# Altium PCB Kamal.PcbDoc
Units mm, origin at the board's own origin, x right, y up, seen from the top; angles counter-clockwise.
Board outline 120.02 x 45.11 mm, 2 copper layers (Top Layer, Bottom Layer); 121 components, 88 nets, 455 pads, 48 vias.
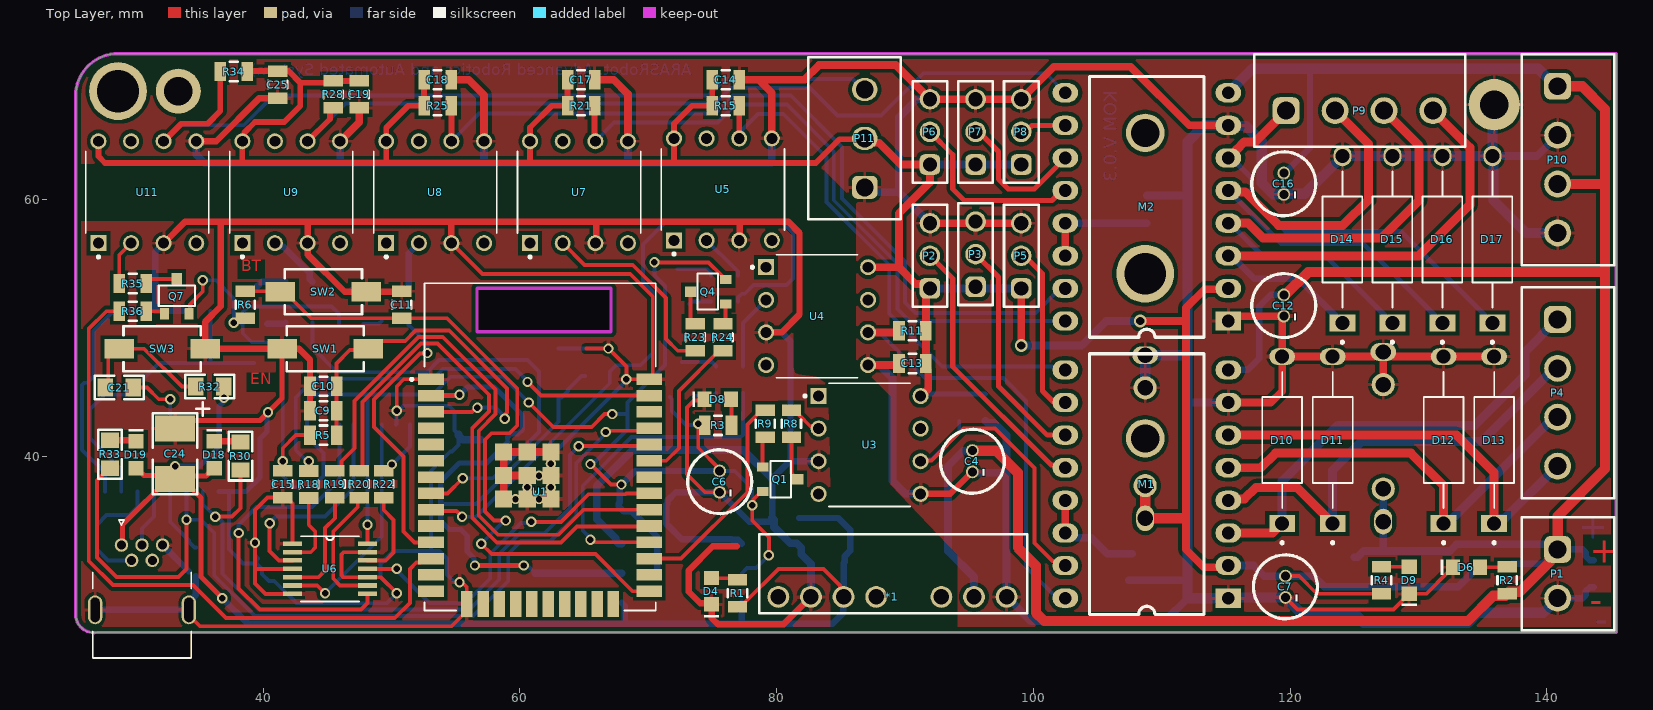
[diagram p0: Top Layer view]
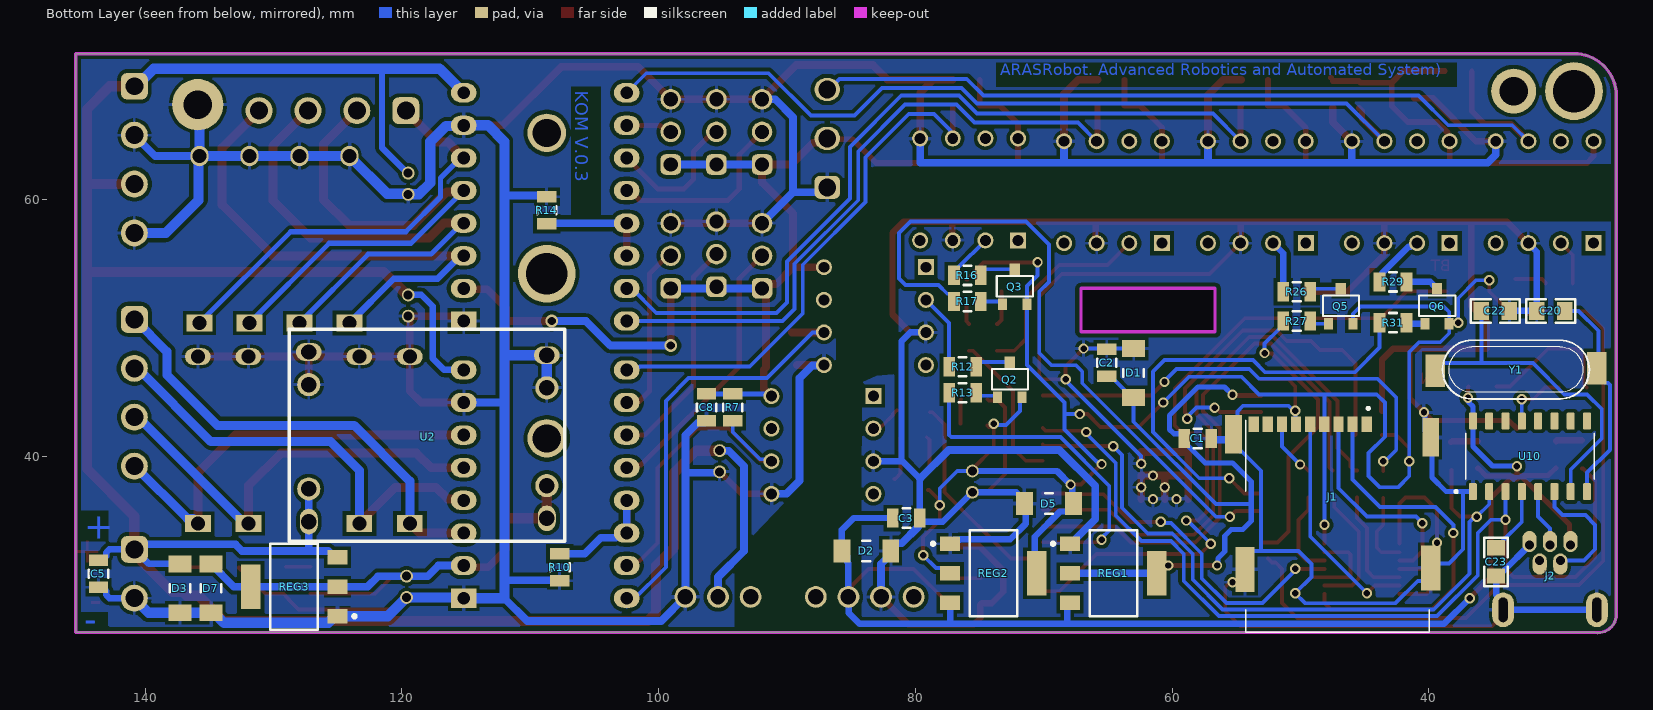
[diagram p1: Bottom Layer view, seen from below]

## Layer stack, top to bottom
Top Solder: solder mask 0.0102, Solder Resist, Dk 3.5
Top Layer: signal copper 0.0356
Dielectric 1: dielectric 0.32, FR-4, Dk 4.8
Bottom Layer: signal copper 0.0356
Bottom Solder: solder mask 0.0102, Solder Resist, Dk 3.5

## Board outline
25.4,27.686 ccw(c26.82,27.686) 27.074,26.289 145.415,26.289 145.415,71.374 28.702,71.374 ccw(c28.702,68.072) 25.4,68.072
cut-out: 56.6,49.7 56.6,53.1 67.1,53.1 67.1,49.7

## Design rules (kind name [scope] priority, off if disabled: settings)
Clearance [All] p1: gap=0.2 ignorepadtopadclearanceinfootprint=FALSE except(0.3: Arc-Poly Track-Poly SMDPad-Poly THPad-Poly Via-Poly Fill-Poly Poly-Poly Poly-Region Poly-Text Poly-Hole)
PolygonConnect [All] p1: connectstyle=Relief reliefconductorwidth=0.254 reliefentries=4 polygonreliefangle="90 Angle" airgapwidth=0.254
RoutingVias [All] p1: holewidth=0.5 width=0.8 viastyle="Through Hole" minholewidth=0.5 minwidth=0.8 maxholewidth=1.5 maxwidth=2
SolderMaskExpansion [All] p1: expansion=0.102 istentingtop=FALSE
Width [All] p1: maxlimit=1 minlimit=0.3 preferedwidth=0.3
30 further rules are at their usual default settings.

## Classes and differential pairs
component class kamal_schematic: *1 C1 C2 C3 C4 C5 C6 C7 C8 C9 C10 C11 C12 C13 C14 C15 C16 C17 C18 C19 C20 C21 C22 C23 C24 C25 D1 D3 D5 D6 D8 D9 D12 D14 D16 D17 D19 J1 J2 M1 M2 P1 P2 P3 P4 P5 P6 P7 P8 P9 P10 P11 Q1 Q2 Q3 Q4 Q5 Q6 Q7 R2 R4 R6 R8 R9 R11 R13 R14 R15 R17 R20 R23 R25 R26 R27 R29 R31 R32 R33 R34 R36 REG1 REG2 REG3 SW1 SW2 SW3 U1 U2 U3 U4 U5 U6 U7 U8 U9 U10 U11 Y1

## Components (designator, comment, footprint, x,y, rotation, side; value= is the part's Value field where it differs from the comment)
*1 "MCWI03-12S05" MCWI03-12S05 93.504,37.946 r180 top
C1 "100nF" "SMD 805 CAP" 58,41.4 r180 bottom
C2 "1uF" "SMD 805 CAP" 65.1,47.3 r90 bottom
C3 "1uF" "SMD 805 CAP" 80.7,35.2 r180 bottom
C4 "47uF-25V-5mm" "MY_CAP_POL 5MM" 95.25,39.624 r270 top value=3300u
C5 "1uF" "SMD 805 CAP" 143.637,30.861 r270 bottom
C6 "47uF-25V-5mm" "MY_CAP_POL 5MM" 75.565,38.035 r270 top value=3300u
C7 "47uF-25V-5mm" "MY_CAP_POL 5MM" 119.634,29.845 r270 top value=3300u
C8 "1uF" "SMD 805 CAP" 96.266,43.815 r270 bottom
C9 "22uF" "SMD 805 CAP" 44.704,43.561 r180 top
C10 "0.1uF" "SMD 805 CAP" 44.704,45.466 r180 top
C11 "0.1uF" "SMD 805 CAP" 50.8,51.816 r90 top
C12 "47uF-25V-5mm" "MY_CAP_POL 5MM" 119.507,51.754 r270 top value=3300u
C13 "1uF" "SMD 805 CAP" 90.585,47.244 r180 top
C14 "1uF" "SMD 805 CAP" 76.039,69.342 r0 top
C15 "1uF" "SMD 805 CAP" 41.529,37.846 r90 top
C16 "47uF-25V-5mm" "MY_CAP_POL 5MM" 119.507,61.241 r270 top value=3300u
C17 "1uF" "SMD 805 CAP" 64.77,69.342 r0 top
C18 "1uF" "SMD 805 CAP" 53.594,69.342 r0 top
C19 "1uF" "SMD 805 CAP" 47.498,68.199 r270 top
C20 "22pF" C_805#1 30.48,51.308 r90 bottom
C21 "100nF" C_805#1 28.829,45.339 r90 top
C22 "22pF" C_805#1 34.798,51.308 r90 bottom
C23 "100nF" C_805#2 34.798,31.75 r180 bottom
C24 "10uF" Tantalum_B 33.147,40.132 r180 top
C25 "1uF" "SMD 805 CAP" 41.148,68.961 r270 top
D1 "Zener_MinMelf 5.6V" MiniMelf 63,46.5 r270 bottom
D2 "Zener_MinMelf 5.6V" MiniMelf 83.82,32.639 r0 bottom
D3 "Zener_MinMelf 13V" MiniMelf 137.287,29.718 r90 bottom
D4 "LED_SMD_0805" LED_0805#1 74.93,29.464 r90 top
D5 "Zener_MinMelf 3.6V" MiniMelf 69.596,36.322 r180 bottom
D6 "LED_SMD_0805" LED_0805#2 133.731,31.369 r0 top
D7 "Zener_MinMelf 5.6V" MiniMelf 134.874,29.718 r90 bottom
D8 "LED_SMD_0805" LED_0805#3 75.438,44.45 r0 top
D9 "LED_SMD_0805" LED_0805#2 129.286,30.353 r90 top
D10 "P6KE15A" P6KE15A#1 119.38,41.275 r90 top
D11 "P6KE15A" P6KE15A#1 123.317,41.275 r90 top
D12 "P6KE15A" P6KE15A#1 131.953,41.275 r90 top
D13 "P6KE15A" P6KE15A#1 135.89,41.275 r90 top
D14 "P6KE15A" P6KE15A#2 124.079,56.896 r90 top
D15 "P6KE15A" P6KE15A#2 127.974,56.896 r90 top
D16 "P6KE15A" P6KE15A#2 131.868,56.896 r90 top
D17 "P6KE15A" P6KE15A#2 135.763,56.896 r90 top
D18 "LED_SMD_0805" LED_0805#2 36.195,40.132 r270 top
D19 "LED_SMD_0805" LED_0805#2 30.099,40.132 r270 top
J1 "045138008100858+" AVX_045138008100858+ 47.117,34.544 r0 bottom locked
J2 "54819-0519" MOLEX_54819-0519 28.969,33.098 r0 top
M1 "A4988-Module for MOTOR_A" "A4988-Module - duplicate" 115.189,28.956 r180 top locked
M2 "A4988-Module for MOTOR_A" "A4988-Module - duplicate" 115.189,50.546 r180 top locked
P1 "691321300002" 691321300002 141.643,30.861 r270 top locked
P2 "61300311121" 61300311121 91.948,55.626 r90 top
P3 "61300311121" 61300311121 95.504,55.753 r90 top
P4 "691321300004" 691321300004 141.643,44.958 r270 top
P5 "61300311121" 61300311121 99.06,55.626 r90 top
P6 "61300311121" 61300311121 91.948,65.278 r90 top
P7 "61300311121" 61300311121 95.504,65.278 r90 top
P8 "61300311121" 61300311121 99.06,65.278 r90 top
P9 "691321300004" 691321300004 125.413,67.729 r0 top
P10 "691321300004" 691321300004 141.643,63.119 r270 top locked
P11 "691321300003" 691321300003 86.068,64.77 r90 top locked
Q1 "3906" MY_SMD_TRANSISTOR 80.264,38.227 r180 top
Q2 "3906" MY_SMD_TRANSISTOR 72.644,45.974 r270 bottom
Q3 "3906" MY_SMD_TRANSISTOR 72.263,53.213 r270 bottom
Q4 "3906" MY_SMD_TRANSISTOR 74.676,52.832 r0 top
Q5 "3906" MY_SMD_TRANSISTOR 46.863,51.689 r270 bottom
Q6 "3906" MY_SMD_TRANSISTOR 39.37,51.689 r270 bottom
Q7 "3906" MY_SMD_TRANSISTOR 33.274,52.451 r270 top
R1 "1k" "SMD 805" 76.962,29.337 r90 top
R2 "1k" "SMD 805" 136.906,30.353 r90 top
R3 "1.8k" "SMD 805" 75.438,42.418 r0 top
R4 "1.8k" "SMD 805" 127.127,30.353 r90 top
R5 "10k" "SMD 805" 44.704,41.656 r0 top
R6 "1k" "SMD 805" 38.608,51.816 r90 top
R7 "470" "SMD 805" 94.234,43.815 r270 bottom
R8 "220" "SMD 805" 81.153,42.545 r90 top
R9 "330" "SMD 805" 79.121,42.545 r270 top
R10 "0" "SMD 805" 107.696,31.369 r270 bottom
R11 "470" "SMD 805" 90.585,49.784 r180 top
R12 "220" "SMD 805" 76.327,46.99 r0 bottom
R13 "330" "SMD 805" 76.327,44.958 r180 bottom
R14 "0" "SMD 805" 108.712,59.182 r90 bottom
R15 "470" "SMD 805" 76.039,67.31 r0 top
R16 "220" "SMD 805" 75.946,54.102 r0 bottom
R17 "330" "SMD 805" 75.946,52.07 r180 bottom
R18 "3.3K" "SMD 805" 43.561,37.812 r90 top
R19 "3.3K" "SMD 805" 45.593,37.846 r90 top
R20 "3.3K" "SMD 805" 47.498,37.846 r90 top
R21 "470" "SMD 805" 64.77,67.31 r0 top
R22 "3.3K" "SMD 805" 49.403,37.846 r90 top
R23 "220" "SMD 805" 73.66,49.276 r270 top
R24 "330" "SMD 805" 75.819,49.276 r90 top
R25 "470" "SMD 805" 53.594,67.31 r0 top
R26 "220" "SMD 805" 50.292,52.832 r0 bottom
R27 "330" "SMD 805" 50.292,50.546 r180 bottom
R28 "470" "SMD 805" 45.466,68.199 r270 top
R29 "220" "SMD 805" 42.799,53.594 r0 bottom
R30 "Resistor SMD 0603" R_805 38.227,40.005 r0 top value=1k
R31 "330" "SMD 805" 42.799,50.419 r180 bottom
R32 "Resistor SMD 0603" R_805 35.814,45.466 r270 top value=10k
R33 "Resistor SMD 0603" R_805 28.067,40.132 r0 top value=1k
R34 "470" "SMD 805" 37.719,69.977 r180 top
R35 "220" "SMD 805" 29.845,53.467 r180 top
R36 "330" "SMD 805" 29.845,51.308 r0 top
REG1 "LD1117 3.3" MY_LD1117-3.3 64.448,30.9 r270 bottom
REG2 "LD1117 3.3" MY_LD1117-3.3 73.8,30.9 r270 bottom
REG3 "LD1117 5.0V" MY_LD1117-3.3 128.524,29.845 r90 bottom
SW1 "434121043836" WS-TASV_L6W3.5H4.3_4341x10438x6 44.831,48.387 r0 top
SW2 "434121043836" WS-TASV_L6W3.5H4.3_4341x10438x6 44.704,52.832 r180 top
SW3 "434121043836" WS-TASV_L6W3.5H4.3_4341x10438x6 32.131,48.387 r180 top
U1 "ESP32-WROOM-32D" MODULE_ESP32-WROOM-32D 61.579,40.749 r0 top locked
U2 "MP1584" MP1584 117.856,41.529 r180 bottom locked
U3 "6N137-8-DIP" PDIP-8 87.249,40.894 r0 top
U4 "6N137-8-DIP" PDIP-8 83.152,50.927 r0 top
U5 "6N137-8-DIP" PDIP-8 75.819,60.8 r90 top
U6 "74LVC125APW,118" SOP65P640X110-14N 45.212,31.242 r0 top locked
U7 "6N137-8-DIP" PDIP-8 64.611,60.579 r90 top
U8 "6N137-8-DIP" PDIP-8 53.403,60.579 r90 top
U9 "6N137-8-DIP" PDIP-8 42.196,60.579 r90 top
U10 "CH340G" SOIC127P600X180-16N 32.131,40.005 r90 bottom
U11 "6N137-8-DIP" PDIP-8 30.988,60.579 r90 top
Y1 "CRYSTAL_SMD" "My_Crystal - SMD" 33.224,46.763 r180 bottom

## Footprints (in the part's own frame and the unit in brackets; to place one, negate y for a bottom-side part, rotate by r counter-clockwise, add the part's x,y. Pads: shape width x height; smd on the part's side, far side on the other; paste and mask are expansions set on the pad)
61300311121 [mm] "Pin Header, pitch 2.54 mm, THT, Vertical, single row, 3p"
  rrect50% 1.6x1.6 hole 1.1: 1(-2.54,0)
  round 1.6 hole 1.1: 2(0,0) 3(2.54,0)
  silkscreen extent -3.96,-1.35 3.96,1.35, body extent -3.81,-1.27 3.81,1.27, height 8.57
691321300002 [mm] "Vertical PCB Header, pitch 3.81mm, 02p"
  rrect50% 2.1x2.1 hole 1.4: 1(-1.905,-0.8)
  round 2.1 hole 1.4: 2(1.905,-0.8)
  silkscreen extent -4.4,-3.6 4.41,3.6, body extent -4.4,-3.6 4.41,3.6, height 9.25
691321300003 [mm] "Vertical PCB Header, pitch 3.81mm, 03p"
  rrect50% 1.8x2 hole 1.4: 1(-3.81,-0.8)
  oval 1.8x2 hole 1.4: 2(0,-0.8) 3(3.81,-0.8)
  silkscreen extent -6.31,-3.6 6.31,3.6, body extent -6.31,-3.6 6.31,3.6, height 9.25
691321300004 [mm] "Vertical PCB Header, pitch 3.81mm, 04p"
  rrect50% 2.1x2.1 hole 1.4: 1(-5.715,-0.8)
  round 2.1 hole 1.4: 2(-1.905,-0.8) 3(1.905,-0.8) 4(5.715,-0.8)
  silkscreen extent -8.21,-3.6 8.22,3.6, body extent -8.21,-3.6 8.21,3.6, height 9.25
"A4988-Module - duplicate" [mm]
  rect 2x1.5 hole 1: 1(0,0)
  oval 2x1.5 hole 1: 2(0,-2.54) 3(0,-5.08) 4(0,-7.62) 5(0,-10.16) 6(0,-12.7) 7(0,-15.24) 8(0,-17.78) 9(12.7,-17.78) 10(12.7,-15.24) 11(12.7,-12.7) 12(12.7,-10.16) 13(12.7,-7.62) 14(12.7,-5.08) 15(12.7,-2.54) 16(12.7,0)
  silkscreen extent 1.89,-19.05 10.81,1.27, body extent -1.4,-19.05 13.84,1.27, height 5.54
AVX_045138008100858+ [mm]
  rect 0.8x1.2 smd: 1(-2.27,-7.95) 2(-1.17,-7.95) 3(-0.07,-7.95) 4(1.03,-7.95) 5(2.13,-7.95) 6(3.23,-7.95) 7(4.33,-7.95) 8(5.43,-7.95) COM(6.53,-7.95)
  rect 1.5x3.5 smd: SH1(-7.266,3.226) SH3(7.212,3.353)
  rect 1.3x3 smd: SH2(-7.266,-6.934) SH4(8.101,-7.188)
  silkscreen extent -7.15,-9.3 7.15,8.25
C_805#1 [mm]
  rect 1.4x1.2 smd: 1(0.025,1.118) 2(0.025,-1.067)
  silkscreen extent -0.89,-1.88 0.94,1.93, body extent -0.61,-0.95 0.69,1.05, height 1.1
C_805#2 [mm]
  rect 1.4x1.2 smd: 1(0.025,1.145) 2(0.025,-1.067)
  silkscreen extent -0.89,-1.88 0.94,1.93, body extent -0.61,-0.95 0.69,1.05, height 1.1
LED_0805#1 [mm]
  rect 1.1x1.2 smd: 1(-0.982,0) 2(1.05,0)
  silkscreen extent -2,-0.6 -1.8,0.6, body extent -1,-0.63 1,0.62, height 0.7
LED_0805#2 [mm]
  rect 1.1x1.2 smd: 1(-1.05,0) 2(1.05,0)
  silkscreen extent -2,-0.6 -1.8,0.6, body extent -1,-0.63 1,0.62, height 0.7
LED_0805#3 [mm]
  rect 1.1x1.2 smd: 1(-1.05,0) 2(1.016,0)
  silkscreen extent -2,-0.6 -1.8,0.6, body extent -1,-0.63 1,0.62, height 0.7
MCWI03-12S05 [mm]
  round 1.7 hole 1.2: 1(-4.413,8.89) 2(-1.873,8.89) 3(0.667,8.89) 5(5.747,8.89) 6(8.287,8.89) 7(10.827,8.89) 8(13.367,8.89)
  silkscreen extent -6.04,4.02 14.86,10.16, body extent -5.99,3.91 14.86,10.05, height 10
MiniMelf [mm]
  rect 1.3x1.8 smd: 1(-1.905,0) 2(1.905,0)
  silkscreen extent -0.3,-0.8 0.3,0.8, body extent -1.82,-0.8 1.88,0.8, height 1.6
MODULE_ESP32-WROOM-32D [mm]
  rect 2x0.9 smd: 1(-8.5,5.26) 2(-8.5,3.99) 3(-8.5,2.72) 4(-8.5,1.45) 5(-8.5,0.18) 6(-8.5,-1.09) 7(-8.5,-2.36) 8(-8.5,-3.63) 9(-8.5,-4.9) 10(-8.5,-6.17) 11(-8.5,-7.44) 12(-8.5,-8.71) 13(-8.5,-9.98) 14(-8.5,-11.25) 25(8.5,-11.25) 26(8.5,-9.98) 27(8.5,-8.71) 28(8.5,-7.44) 29(8.5,-6.17) 30(8.5,-4.9) 31(8.5,-3.63) 32(8.5,-2.36) 33(8.5,-1.09) 34(8.5,0.18) 35(8.5,1.45) 36(8.5,2.72) 37(8.5,3.99) 38(8.5,5.26)
  rect 0.9x2 smd: 15(-5.715,-12.25) 16(-4.445,-12.25) 17(-3.175,-12.25) 18(-1.905,-12.25) 19(-0.635,-12.25) 20(0.635,-12.25) 21(1.905,-12.25) 22(3.175,-12.25) 23(4.445,-12.25) 24(5.715,-12.25)
  rect 1.33x1.33 smd: 39_1(-2.835,-0.405) 39_2(-1,-0.405) 39_3(0.835,-0.405) 39_4(-2.835,-2.24) 39_5(-1,-2.24) 39_6(0.835,-2.24) 39_7(-2.835,-4.075) 39_8(-1,-4.075) 39_9(0.835,-4.075)
  round 0.8 hole 0.5: 39_14(0.835,-1.322) 39_16(-0.082,-2.24) 39_18(-1,-3.157) 39_19(0.835,-3.157) 39_20(-1.917,-4.075) 39_21(-0.082,-4.075)
  silkscreen extent -10.1,-12.75 9,12.75
MOLEX_54819-0519 [mm]
  oval 1.1x1.65 smd far side paste-2 mask+0: 1(0,0.275) 2(0.8,-1.475) 3(1.6,0.275) 4(2.4,-1.475) 5(3.2,0.275)
  round 1.05 hole 0.7 mask+0.076: 6(0,0) 7(0.8,-1.2) 8(1.6,0) 9(2.4,-1.2) 10(3.2,0)
  oval 1.122x2.245 hole 0.7 slot 1.9 at 90 deg mask+0: 11(-2.05,-5.05) 12(5.25,-5.05)
  oval 1.7x2.7 smd far side paste-2 mask+0: S1(-2.05,-5.05) S2(5.25,-5.05)
  silkscreen extent -2.25,-8.8 5.45,1.95
MP1584 [mm]
  round 1.8 hole 1.2: 1(-9.398,4.064) 2(-9.398,-4.064) 3(9.144,3.81) 4(9.144,-3.81)
  oval 2x1.4 hole 1.2: 1(-9.398,6.604) 3(9.144,6.35)
  oval 1.4x2 hole 1.2: 2(-9.398,-6.604) 4(9.144,-6.35)
  silkscreen extent -10.92,-8.13 10.54,8.38, body extent -11.18,-8.26 10.92,8.55, height 9.19
"MY_CAP_POL 5MM" [mm]
  round 1 hole 0.7: +(-0.827,0) -(0.827,0)
  silkscreen extent -2.49,-2.49 2.49,2.49, body extent -2.74,-2.6 2.84,2.48, height 11.7
"My_Crystal - SMD" [mm]
  rect 1.524x2.54 smd: 1(-6.275,-0.1) 2(6.3,0.1)
  silkscreen extent -5.71,-2.29 5.71,2.29, body extent -6.28,-2.5 6.22,2.3, height 3.92
MY_LD1117-3.3 [mm]
  rect 1.1x1.55 smd: 1(-2.3,-3.502) 2(0,-3.502) 3(2.3,-3.502)
  rect 3.45x1.55 smd: 4(0,3.248)
  silkscreen extent -3.35,-4.95 3.35,1.72, body extent -3.3,-3.85 3.2,3.05, height 1.6
MY_SMD_TRANSISTOR [mm]
  rect 0.9x0.7 smd: B(1.35,-0.95) E(1.35,0.95)
  rect 0.9x0.8 smd: C(-1.37,0)
  silkscreen extent -0.85,-1.4 0.75,1.42, body extent -1.37,-1.5 1.27,1.5, height 1.08
P6KE15A#1 [mm]
  oval 1.3x2 hole 1.1: A(6.5,0)
  rect 1.3x2 hole 1.1: C(-6.5,0)
  silkscreen extent -8.1,-1.55 5.32,1.55, body extent -6.9,-1.8 6.9,1.8, height 2.7
P6KE15A#2 [mm]
  oval 1.6x1.4 hole 1.1: A(6.5,0)
  rect 1.3x2 hole 1.1: C(-6.5,0)
  silkscreen extent -8.1,-1.55 5.32,1.55, body extent -6.9,-1.8 6.9,1.8, height 2.7
PDIP-8 [mm]
  rect 1.25x1.25 hole 0.85: 1(-3.97,3.81)
  round 1.25 hole 0.85: 2(-3.97,1.27) 3(-3.97,-1.27) 4(-3.97,-3.81) 5(3.97,-3.81) 6(3.97,-1.27) 7(3.97,1.27) 8(3.97,3.81)
  silkscreen extent -5.13,-4.79 3.17,4.79, body extent -3.94,-4.79 3.94,4.79, height 5.08
R_805 [mm]
  rect 1.4x1.2 smd: 1(0.025,1.118) 2(0.025,-1.067)
  silkscreen extent -0.89,-1.88 0.94,1.93, body extent -0.6,-0.93 0.65,1.08, height 0.51
"SMD 805" [mm]
  rect 0.9x1.5 smd: 1(1.05,0) 2(-1.05,0)
  silkscreen extent -0.3,-0.75 0.3,0.75, body extent -1,-0.62 1,0.63, height 0.78
"SMD 805 CAP" [mm]
  rect 0.9x1.5 smd: 1(1.05,0) 2(-1.05,0)
  silkscreen extent -0.3,-0.75 0.3,0.75, body extent -1,-0.62 1,0.63, height 0.78
SOIC127P600X180-16N [mm]
  rrect25% 1.31x0.62 smd: 1(-2.75,4.445) 2(-2.75,3.175) 3(-2.75,1.905) 4(-2.75,0.635) 5(-2.75,-0.635) 6(-2.75,-1.905) 7(-2.75,-3.175) 8(-2.75,-4.445) 9(2.75,-4.445) 10(2.75,-3.175) 11(2.75,-1.905) 12(2.75,-0.635) 13(2.75,0.635) 14(2.75,1.905) 15(2.75,3.175) 16(2.75,4.445)
  silkscreen extent -2.85,-5 1.78,5.85
SOP65P640X110-14N [mil]
  rect 58x14 smd: 1(-115,77) 2(-115,51) 3(-115,26) 4(-115,0) 5(-115,-26) 6(-115,-51) 7(-115,-77) 8(115,-77) 9(115,-51) 10(115,-26) 11(115,0) 12(115,26) 13(115,51) 14(115,77)
  silkscreen extent -89,-100 89,100, body extent -126,-98 126,98, height 43
Tantalum_B [mm]
  rect 3.1x2 smd: 1(-0.002,-2.041) 2(-0.002,1.896)
  silkscreen extent -2.67,-4.07 1.73,3.07, body extent -1.45,-1.65 1.35,1.81, height 1.94
WS-TASV_L6W3.5H4.3_4341x10438x6 [mm] "SMD Tact Switch, body 6x3.5mm"
  rect 2.3x1.5 smd: 1(-3.35,0) 2(3.35,0)
  silkscreen extent -3,-1.75 3,1.75, body extent -4,-1.75 4,1.75, height 4.3

## Part data
C1 C2 C3 C5 C8 C9 C10 C11 C13 C14 C15 C17 C18 C19 C25: library part "CAP B"
C4 C6 C7 C12 C16: library part "Cap Pol_5mm", "CAP-3300Uf"
C20 C21 C22 C23 C24: library part "CAP SMD 0805", "CAP 0805", Data=16-12-2016, Desc.="CAP SMD 0805", Designer="Abbas Basereh"
D1 D2 D3 D5 D7: library part MiniMelf_500mW, "MiniMelf_500mW", Package=None, Availability=Unavailable, MP=ZM4736A_L0, Price=None
J1: "Ked04 5138 008100858+ Micro Sd", Package=None, Availability=Unavailable, MF="AVX / Kyocera", MP="04 5138 008100858+", Price=None, SnapEDA_Link=https://www.snapeda.com/parts/04%205138%20008100858%2B/AVX%20/%20Kyocera/view-part/562780/?ref=snap
J2: "USB - mini B USB 2.0 OTG Receptacle Connector 5 Position Through Hole, Right Angle", Package=None, Availability=Good, Check_prices=https://www.snapeda.com/parts/54819-0519/Molex/view-part/13744/?ref=eda, MF=Molex, MP=54819-0519, Price=None, Purchase-URL=https://pricing.snapeda.com/search/part/54819-0519/?ref=eda, SnapEDA_Link=https://www.snapeda.com/parts/54819-0519/Molex/view-part/13744/?ref=snap
M1 M2: library part A4988SETTR-T, "ALLEGRO MICROSYSTEMS - A4988SETTR-T - MOTOR DRIVER, STEPPER, 2A, QFN-28", Case/Package="QFN EP", Manufacturer="Allegro MicroSystems", Max Operating Temperature=85°C, Max Supply Voltage=35V, Min Operating Temperature=-20°C, Min Supply Voltage=8V, Output Current=2A, Package Quantity=1, Supplier Part Number 1=620-1343-6-ND, Category=Moudle, ComponentLink1Description=http://www.farnell.com/datasheets/2354165.pdf?src-supplier=Newark, ComponentLink1URL=http://www.farnell.com/datasheets/2354165.pdf?src-supplier=Newark, ComponentLink2Description=http://www.farnell.com/datasheets/2354165.pdf?src-supplier=Element14, ComponentLink2URL=http://www.farnell.com/datasheets/2354165.pdf?src-supplier=Element14, ComponentLink3Description=https://www.verical.com/server-webapp/html/getDatasheet?partID=557828&src-supplier=Verical, ComponentLink3URL=https://www.verical.com/server-webapp/html/getDatasheet?partID=557828&src-supplier=Verical, ComponentLink4Description=http://www.allegromicro.com/en/Products/Motor-Driver-And-Interface-ICs/Bipolar-Stepper-Motor-Drivers/~/media/Files/Datasheets/A4988-Datasheet.ashx?src-supplier=Avnet+Europe, ComponentLink4URL=http://www.allegromicro.com/en/Products/Motor-Driver-And-Interface-ICs/Bipolar-Stepper-Motor-Drivers/~/media/Files/Datasheets/A4988-Datasheet.ashx?src-supplier=Avnet+Europe, ComponentLink5Description=http://www.allegromicro.com/en/Products/Motor-Driver-And-Interface-ICs/Bipolar-Stepper-Motor-Drivers/~/media/Files/Datasheets/A4988-Datasheet.ashx?src-supplier=Avnet, ComponentLink5URL=http://www.allegromicro.com/en/Products/Motor-Driver-And-Interface-ICs/Bipolar-Stepper-Motor-Drivers/~/media/Files/Datasheets/A4988-Datasheet.ashx?src-supplier=Avnet, Manufacturer Part Number=A4988SETTR-T, Motor Type=Stepper, Mount="Surface Mount", Number of Outputs=1, Number of Pins=28, Output Voltage=35V, Packaging="Tape and Reel", Pricing 1="1=3.27, 10=2.934, 100=2.4042, 500=2.0466 (USD)", Radiation Hardening=No, REACH SVHC="No SVHC", Stock 1=16515, Supplier 1=Digi-Key
P1: "WR-TBL Series 321 Vertical PCB Header, THT, pitch 3.81mm, 2p", Manufacturer="Wurth Elektronik", Operating Temperature Max=105°C, Operating Temperature Min=-40°C, Rated Current=10A, Working Voltage=300V, Application=Pluggable, Category="Terminal Blocks", ComponentLink1Description="Website Link", ComponentLink1URL=https://www.we-online.com/redexpert/article/691321300002?ad, ComponentLink2Description="Datasheet Link", ComponentLink2URL=https://www.we-online.com/redexpert/spec/691321300002?ad, Manufacturer Part Number=691321300002, Match Code=WR-TBL, Modularity=No, Mount="Through Hole", Number of Pins=2, Number of Rows=1, Orientation=Vertical, Packaging=Box, Pitch=3.81mm
P2 P3 P5 P6 P7 P8: "WR-PHD Pin Header, THT, Vertical, pitch 2.54mm, 1 Row, 3P", Contact Resistance=20mΩ, Manufacturer="Wurth Elektronik", Operating Temperature Max=105°C, Operating Temperature Min=-40°C, Rated Current=3A, Withstanding Voltage=500V, Working Voltage=250V, Category="Board-to-Board Connectors", ComponentLink1Description="Website Link", ComponentLink1URL=https://www.we-online.com/redexpert/article/61300311121?ad, ComponentLink2Description="Datasheet Link", ComponentLink2URL=https://www.we-online.com/redexpert/spec/61300311121?ad, Gender="Pin Header", Manufacturer Part Number=61300311121, Match Code=WR-PHD, Mount="Through Hole", Number of Pins=3, Number of Rows=1, Orientation=Vertical, Packaging=Bag, Pitch=2.54mm
P4 P9 P10: "WR-TBL Series 321 Vertical PCB Header, THT, pitch 3.81mm, 4p", Manufacturer="Wurth Elektronik", Operating Temperature Max=105°C, Operating Temperature Min=-40°C, Rated Current=10A, Working Voltage=300V, Application=Pluggable, Category="Terminal Blocks", ComponentLink1Description="Website Link", ComponentLink1URL=https://www.we-online.com/redexpert/article/691321300004?ad, ComponentLink2Description="Datasheet Link", ComponentLink2URL=https://www.we-online.com/redexpert/spec/691321300004?ad, Manufacturer Part Number=691321300004, Match Code=WR-TBL, Modularity=No, Mount="Through Hole", Number of Pins=4, Number of Rows=1, Orientation=Vertical, Packaging=Box, Pitch=3.81mm
P11: "WR-TBL Series 321 Vertical PCB Header, THT, pitch 3.81mm, 3p", Manufacturer="Wurth Elektronik", Operating Temperature Max=105°C, Operating Temperature Min=-40°C, Rated Current=10A, Working Voltage=300V, Application=Pluggable, Category="Terminal Blocks", ComponentLink1Description="Website Link", ComponentLink1URL=https://www.we-online.com/redexpert/article/691321300003?ad, ComponentLink2Description="Datasheet Link", ComponentLink2URL=https://www.we-online.com/redexpert/spec/691321300003?ad, Manufacturer Part Number=691321300003, Match Code=WR-TBL, Modularity=No, Mount="Through Hole", Number of Pins=3, Number of Rows=1, Orientation=Vertical, Packaging=Box, Pitch=3.81mm
Q1 Q2 Q3 Q4 Q5 Q6 Q7: library part "3906 SMD TRANSISTOR", "PNP 60V 625mW IC=200mA"
R1 R2 R3 R4 R5 R6 R7 R8 R9 R10 R11 R12 R13 R14 R15 R16 R17 R18 R19 R20 R21 R22 R23 R24 R25 R26 R27 R28 R29 R31 R34 R35 R36: library part Resistor
REG3: library part "LD1117 3.3"
SW1 SW2 SW3: "WS-TASV SMT Tact Switch, SPST-NO, 12VDC, 50mA, 360g", Manufacturer="Wurth Elektronik", Operating Temperature Max=85°C, Operating Temperature Min=-40°C, Rated Current=50mA, Rated Voltage=12VDC, Category="Tact Switches", Circuit=SPST-NO, ComponentLink1Description="Website Link", ComponentLink1URL=https://www.we-online.com/redexpert/article/434121043836?ad, ComponentLink2Description="Datasheet Link", ComponentLink2URL=https://www.we-online.com/redexpert/spec/434121043836?ad, Contact Material="Stainless Steel", Contact Plating=Silver, Height=4.3mm, Length=6mm, Manufacturer Part Number=434121043836, Match Code=WS-TASV, Mount="Surface Mount", Operation Force=360g, Packaging="Tape and Reel", Terminal Material="Copper Alloy", Terminal Plating=Silver, Washable=No, Width=3.5mm
U1: "Bluetooth, WiFi 802.11b/g/n, Bluetooth v4.2 + EDR, Class 1, 2 and 3 Transceiver Module 2.4GHz ~ 2.5GHz Integrated, Trace Surface Mount", Package=None, Availability=Unavailable, MP=ESP32-WROOM-32D, Price=None
U6: "Buffer, Non-Inverting 4 Element 1 Bit per Element 3-State Output 14-TSSOP", Package="TSSOP14-14 Nexperia USA Inc.", Availability="In Stock", Check_prices=https://www.snapeda.com/parts/74LVC125APW,118/Nexperia/view-part/5248541/?ref=eda, MF="Nexperia USA Inc.", MP=74LVC125APW,118, Price=None, SnapEDA_Link=https://www.snapeda.com/parts/74LVC125APW,118/Nexperia/view-part/5248541/?ref=snap
U10: Package=None, Availability=Unavailable, MP=CH340G, Price=None
Y1: "Crystal"
R30 R32 R33: ComponentLink1Description="Website: Tarahiboard", ComponentLink1URL=https://www.tarahiboard.com/, ComponentLink2Description=Telegram, ComponentLink2URL=https://t.me/tarahiboard, ComponentLink3Description=Instagram, ComponentLink3URL=https://instagram.com/tarahiboard, DatasheetVersion=2021

## Free pads (board coordinates)
  round 4.5 hole 3.3: 2(28.702,68.453)
  round 3.5 hole 2.2: 2(33.401,68.453)
  round 3 hole 2.2: 2(108.712,41.402) 2(108.712,65.2)
  round 4.5 hole 3.25: 2(108.712,54.229)
  round 4 hole 2.2: 2(135.9,67.4)

## Via types
v1: diameter 0.8, hole 0.5, Top Layer to Bottom Layer, 46 vias
v2: diameter 1, hole 0.65, Top Layer to Bottom Layer, 2 vias

## Nets (pads, with @x,y where several pads share a name; then routed paths per layer and width w, separated by ;. In a path a pad name is that pad's centre, name@x,y a point inside that pad or via, vN(x,y) a via of type N, cw(c..) or ccw(c..) an arc to the next point about the centre after c; other vN are vias at no path point)
3.3_ESP: C6.+ C15.1 D5.2 J1.4 Q1.E Q2.E Q3.E Q4.E Q5.E Q6.E Q7.E R3.2 R5.2 R6.2 REG2.2 REG2.4 U6.14 | length 151.8
  Top Layer w0.3: Q7.E 34.299,51.176 34.299,51.825 35.306,52.832 v1(35.306,53.721) ; v1(41.529,39.624) 41.529,40.64 42.545,41.656 R5.2 ; U6.14 v1(48.133,34.671) ; v1(60.7,44.2) 62.6,42.3 65.6,42.3 66.599,43.299 v1@67.199,43.299 ; v1(65.5,39.4) 67.097,37.803 v1(67.916,37.803) ; v1(70.485,55.118) 74.69,55.118 75.726,54.082 75.726,53.982 75.926,53.782 Q4.E ; v1(73.9,42.55) v1@73.9,42.3 ; R3.2 74.27,42.3 v1@73.9,42.3 ; C6.+ 75.565,39.007 73.9,40.672 v1@73.9,42.3 ; Q1.E@79.027,37.39 78.927,37.39 78.614,37.077 78.196,36.659 78.196,36.296 v1(78.1,36.2) 78.1,35 79.4,33.7 v1(79.4,32.3) ; v1@67.199,43.299 v1(67.2,43.3)
  Bottom Layer w0.3: v1(35.306,53.721) 36.322,53.721 37.719,52.324 v1(37.719,50.419) 38.24,50.419 Q6.E@38.42,50.239 ; Q5.E 45.913,51.115 45.339,51.689 38.862,51.689 38.42,51.247 Q6.E Q6.E@38.42,50.239 ; v1(48.133,34.671) 48.133,42.48 J1.4 48.147,44.831 ; v1(60.7,44.2) 58.7,46.2 54.6,46.2 53.231,44.831 48.147,44.831 ; v1(65.5,39.4) 65.635,39.4 65.836,39.601 65.901,39.601 68.4,42.1 68.4,43.3 ; v1(67.2,43.3) 68.4,43.3 ; v1(70.485,55.118) 70.485,54.102 71.313,53.274 Q3.E 71.313,47.109 68.4,44.196 68.4,43.3 ; Q2.E 71.865,44.453 71.865,43.535 72.946,42.454 73.804,42.454 v1(73.9,42.55) ; C6.+ 76.738,38.862 78.1,37.5 v1(78.1,36.2) ; REG2.2 77.702,31.3 78.4,31.3 v1(79.4,32.3) ; Q6.E@38.42,50.239 38.42,49.591 39.116,48.895 40.767,48.895 41.529,48.133 v1(41.529,39.624) 41.529,38.481 42.418,37.592 43.815,37.592 44.704,38.481 44.704,40.259 43.434,41.529 43.434,44.196 44.069,44.831 48.147,44.831
  Bottom Layer w0.5: v1@67.778,37.679 67.778,36.409 D5.2 67.691,36.11 68.091,35.71 68.742,35.71 70.7,33.752 70.7,31.048 REG2.4 ; v1(67.916,37.803) 68.974,38.862 C6.+
3.3_Just_ESP: C1.2 C2.2 D1.2 REG1.2 REG1.4 U1.2 | length 54.1
  Top Layer w0.3: v1@55.24,44.739 v1(55.3,44.8)
  Top Layer w0.4: U1.2 v1@55.24,44.739 ; v1(56.5,31.5) v1(60.3,31.5)
  Bottom Layer w0.3: 53.841,36.3 56.6,36.3 63,42.7 D1.2 63.25,44.595 63.75,45.095 63.75,45.2 64.8,46.25 C2.2 ; v1(55.3,44.8) v1@55.326,44.8 ; C1.2@59.05,41.1 C1.2 ; v1(60.3,31.5) 60.6,31.5 REG1.4
  Bottom Layer w0.4: v1@55.326,44.8 55.926,45.4 58,45.4 60.2,43.2 60.2,42.1 59.866,41.766 59.3,41.766 59.05,41.516 C1.2 ; v1(56.5,31.5) 56.443,31.557 56.443,32.057 55.9,32.6 55.9,33.8 55.4,34.3 54.5,34.3 53.841,34.959 53.841,36.3 53.841,38.041 55.3,39.5 57.45,39.5 C1.2@59.05,41.1
  Bottom Layer w0.6: REG1.4 REG1.2
5V_Isolated: *1.6 C3.2 C24.2 D2.2 D18.2 D19.2 J2.1 J2.6 R1.2 R32.1 REG1.3 REG2.3 U10.16 | length 109.3